# Altium PCB Stabilizer_Pounder.PcbDoc (part 6 of 7) (continued)
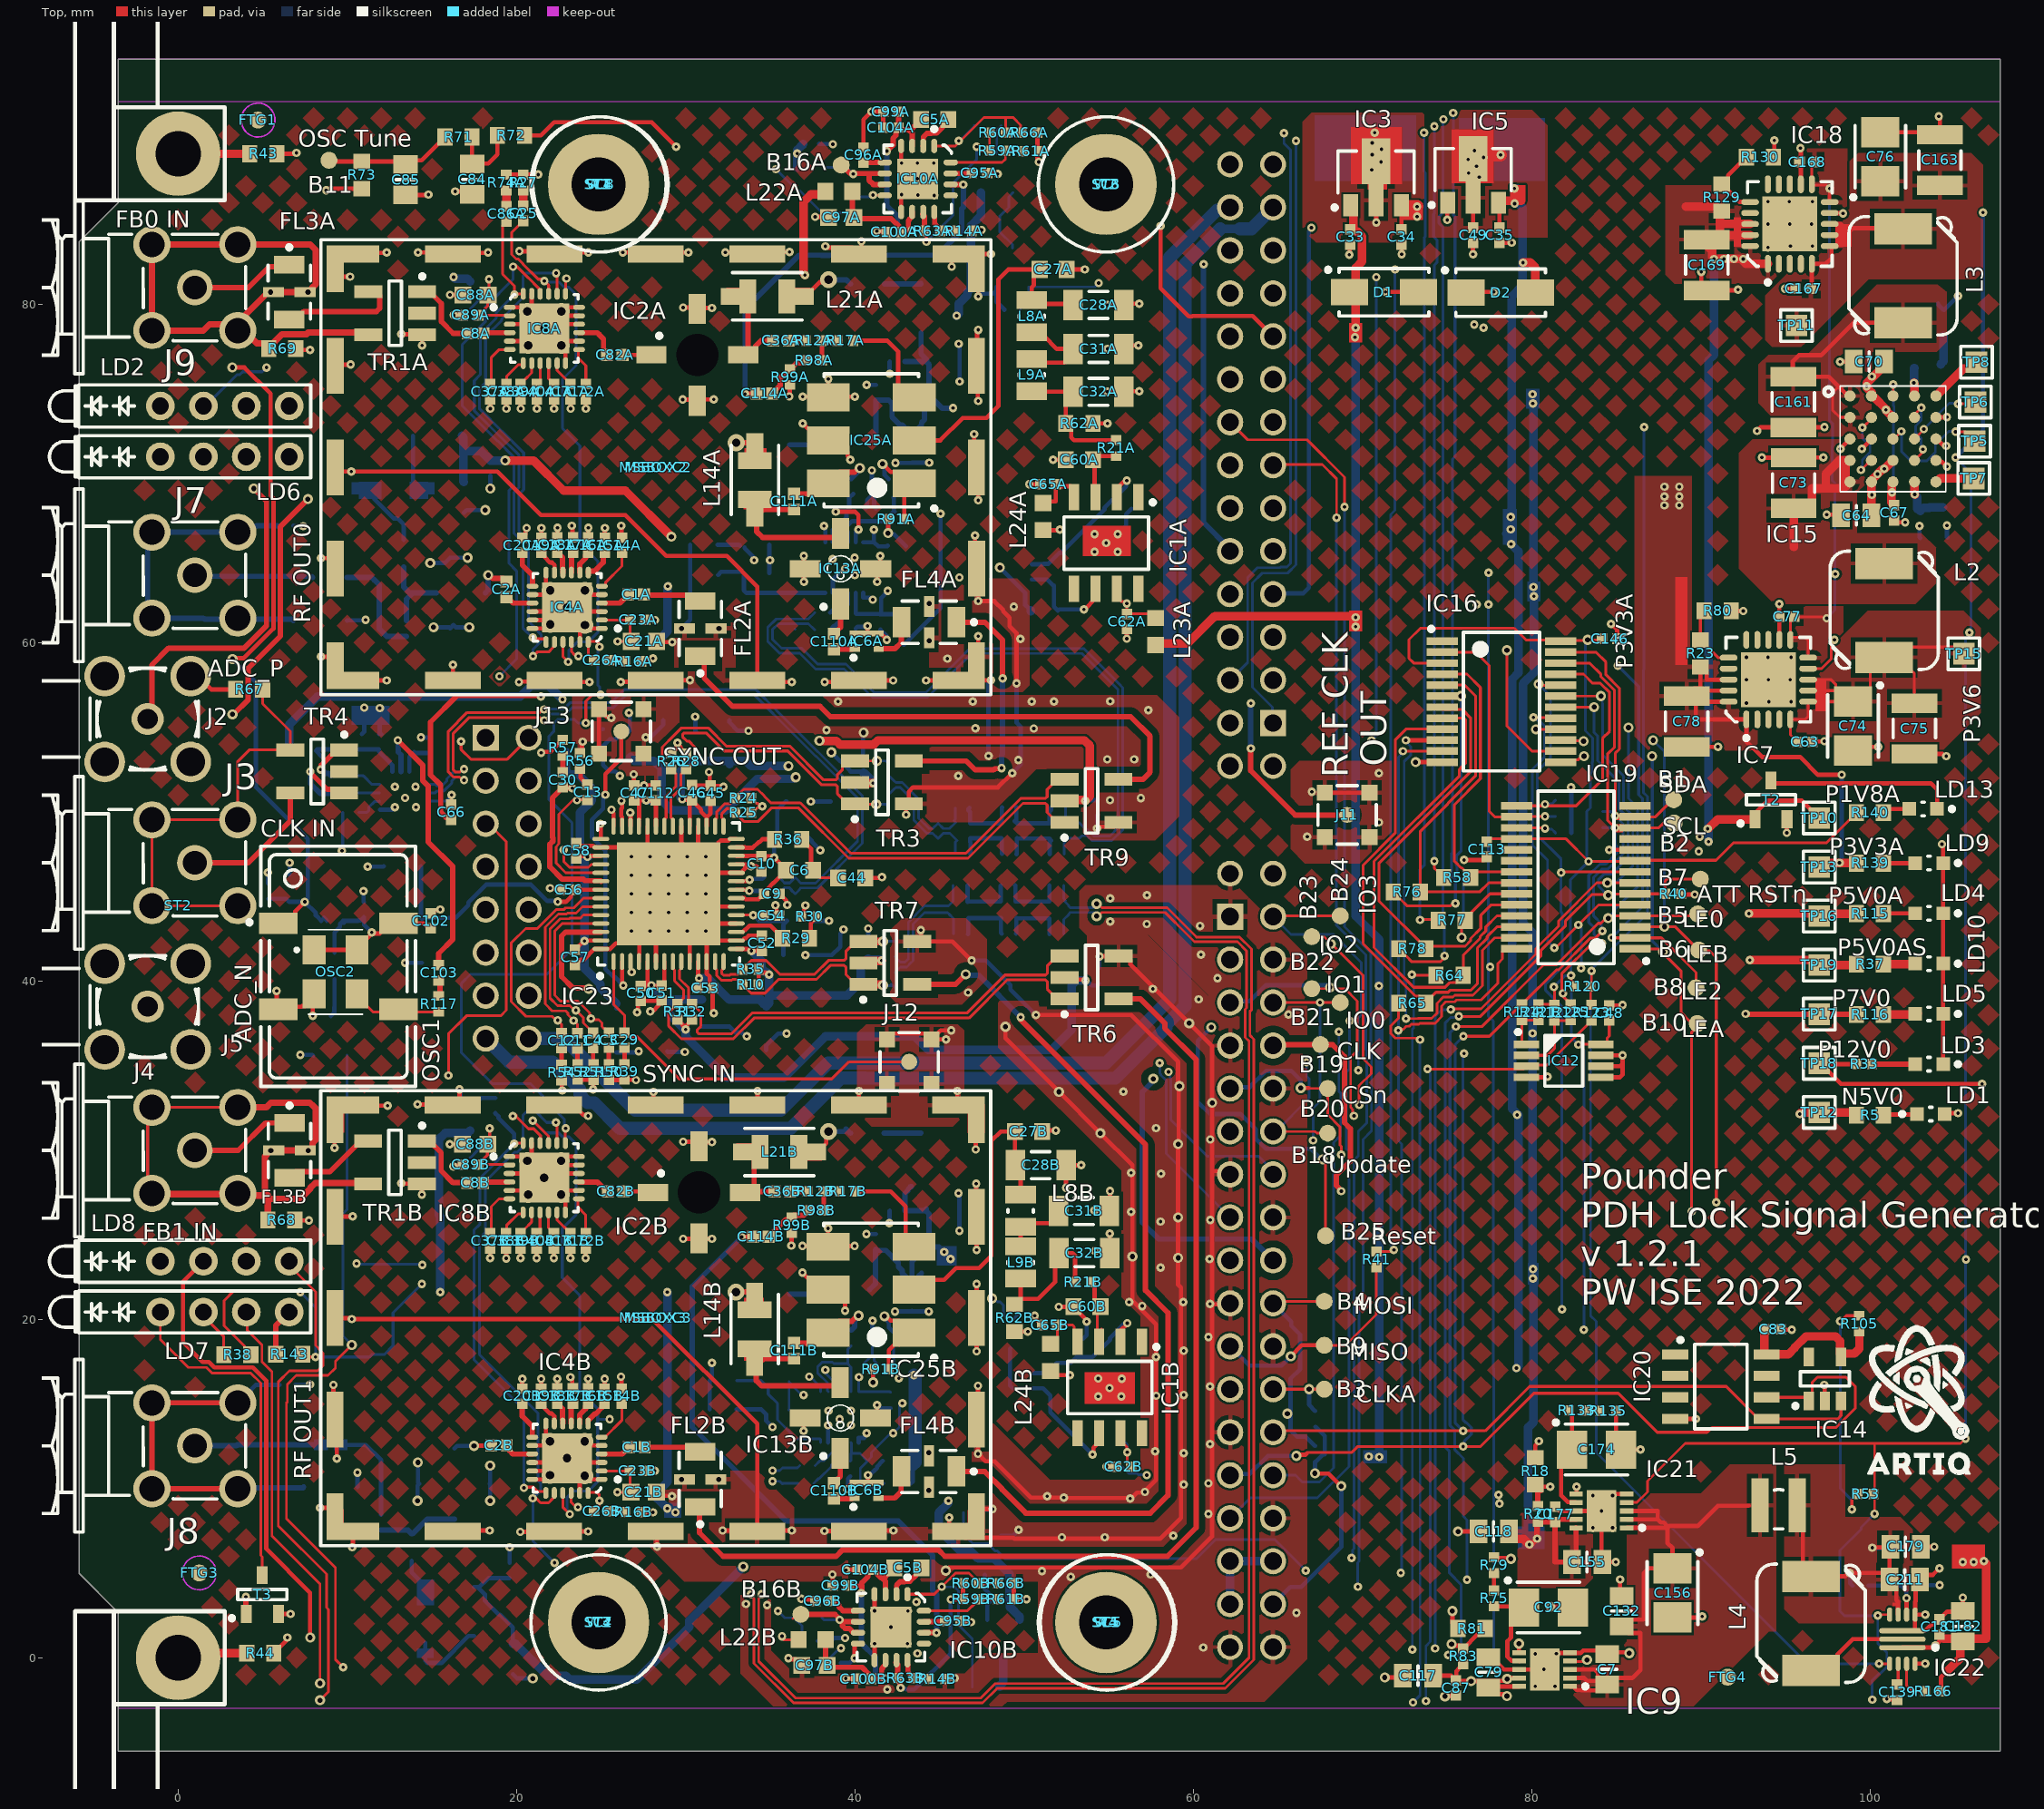
[diagram p0: Top view]
## Nets (pads, with @x,y where several pads share a name; then routed paths per layer and width w, separated by ;. In a path a pad name is that pad's centre, name@x,y a point inside that pad or via, vN(x,y) a via of type N, cw(c..) or ccw(c..) an arc to the next point about the centre after c; other vN are vias at no path point) (continued)
  Top w0.508: v2(19.326,70.768) 21.002,70.768 22.784,68.986 26.426,68.986 v2(29.149,66.264) ; C118.2@78.65,7.464 78.65,7.289 78.921,7.018 79.528,7.018 v1(79.858,6.688)
  L3 w0.316: v1(45.269,23.988) 45.269,23.98 v1@45.665,23.584 ; v1(80.044,36.913) 80.046,36.913 80.321,37.188 85.719,37.188 86.594,38.063 v1(92.644,38.063)
  L3 w0.508: v2(29.149,66.264) 39.728,66.264 39.944,66.048 41.344,66.048 41.632,65.759 43.032,65.759 43.383,65.408 52.798,65.408 54.07,64.136 67.161,64.136 68.01,63.287 v1(80.107,63.287) ; v2(33.401,5.385) 34.595,6.578 39.764,6.578 40.508,5.835 49.263,5.835 51.276,7.848 60.939,7.848 61.695,7.092 64.965,7.092 65.369,6.688 v1(79.858,6.688) ; v1(45.644,23.563) 46.419,22.788 53.296,22.788 53.846,22.238 65.099,22.238 65.274,22.413 v1(80.069,22.413) ; v1(45.796,73.863) 48.667,76.733 75.949,76.733 77.756,74.925 ; 77.769,74.938 78.019,74.688 v1(80.044,74.688)
  Bottom Layer w0.254: R34B.1@17.486,4.188 17.684,4.188 18.132,3.74 18.132,3.353 18.94,2.546 19.022,2.546 19.779,1.789 C93B.2@19.779,0.833 ; R34B.1@17.748,4.124 18.327,4.704 C115B.2@19.583,4.704
  Bottom Layer w0.316: R3B.1@40.864,21.759 41.219,22.114 C91B.2@41.219,24.113 ; R3A.1@40.874,71.958 41.244,72.328 C91A.2@41.244,74.338 41.994,74.338 42.194,74.138 42.194,73.338 42.677,72.855 42.802,72.855 42.919,72.738 C94A.2@42.919,72.613 ; C91B.2@41.234,24.139 41.296,24.077 41.83,24.077 42.544,23.363 ; 42.569,23.288 42.569,23.113 42.802,22.88 42.802,22.73 43.219,22.313 C94B.2@43.369,22.313 43.369,23.438 44.069,24.138 ; C109A.2@42.964,76.618 44.114,76.618 C90A.2@44.234,76.738 ; C94A.2@43.159,72.648 C94A.2@43.369,72.438 43.519,72.438 43.936,72.855 43.936,73.005 44.119,73.188 44.119,74.363 44.384,74.628 ; R1B.1@43.344,27.838 43.288,27.838 43.157,27.707 43.157,27.651 42.954,27.448 C109B.2@42.954,26.419 44.104,26.419 44.224,26.54 44.224,26.39 C90B.2@44.374,26.24 44.374,24.429 44.229,24.284 ; C94B.2@43.789,22.482 43.789,22.583 C94B.2@43.936,22.73 ; R1A.1@43.909,78.322 43.909,77.063 C90A.2@44.234,76.738 ; 44.084,24.139 44.229,24.284 ; v1(45.269,23.988) 45.261,23.988 44.965,24.284 44.229,24.284 ; v1(45.796,73.863) 45.149,73.863 44.384,74.628 ; C90A.2@44.234,76.738 44.234,76.588 C90A.2@44.384,76.438 44.384,74.628
  Bottom Layer w0.508: R34A.1@16.776,72.222 16.864,72.134 R34A.1@16.864,71.411 ; C93A.2@16.891,69.488 16.864,69.515 R34A.1@16.864,71.411 ; v2(19.326,70.768) 19.324,70.765 18.446,70.765 C115A.2@18.444,70.763 17.876,71.331 16.943,71.331 R34A.1@16.864,71.411 ; C93B.2@19.779,0.833 19.929,0.833 21.824,-1.062 22.908,-1.062 23.139,-1.293 27.098,-1.293 30.215,1.824 30.215,2.199 v2(33.401,5.385) ; v1@45.524,23.443 v1(45.644,23.563) ; v1(80.044,74.688) 80.049,74.683 80.049,74.138 80.055,74.138 80.101,74.092 80.101,63.339 80.049,63.287 80.049,62.737 80.095,62.691 80.132,62.691 80.132,58.232 79.476,57.576 79.476,43.427 80.049,42.854 80.049,36.913 80.049,22.972 80.049,22.362 80.094,22.317 80.094,13.913 79.794,13.613 79.794,7.488 v1@80.294,6.988
  other v1: 80.074,22.972 80.132,62.737 80.069,74.138
P7V5: C178.2 C179.2 C211.2 IC22.6 L4.2 L5.1 R134.2 | length 16.8
  Top w0.254: L5.1@96.034,8.988 96.034,5.293 L4.2@96.514,4.813 98.512,4.813 98.717,5.018 v1(98.784,5.018) 100.756,5.018 C211.2@101.154,4.62 ; v1(100.127,6.502) 100.143,6.518 C179.2@101.154,6.518 ; C179.2@101.194,6.558 C179.2@101.154,6.518 ; IC22.6@101.659,2.548 101.65,2.557 101.65,3.308 101.552,3.406 101.552,4.22 C211.2@101.154,4.618 C211.2@101.154,4.62 ; C211.2@101.154,4.62 C179.2@101.154,6.518
  Bottom Layer w0.254: v1(98.784,5.018) 98.831,4.971 98.831,4.401 R134.2@98.964,4.268 ; v1(100.127,6.502) 100.171,6.458 C178.2@101.594,6.458
P7V5A: C7.2 C132.2 C156.1 IC9.1 IC9.2 IC9.3 IC21.1 IC21.2 IC21.3 L5.2 | length 34.2
  Top w0.254: IC9.1@82.269,-1.694 82.519,-1.694 82.542,-1.717 82.542,-1.783 82.691,-1.932 84.108,-1.932 C7.2@84.455,-1.585 ; IC9.2@82.269,-1.194 83.097,-1.194 83.271,-1.368 84.239,-1.368 C7.2@84.455,-1.585 ; IC9.3@82.269,-0.694 83.718,-0.694 83.911,-0.887 83.911,-1.187 84.016,-1.291 84.315,-1.291 84.455,-1.431 C7.2@84.455,-1.585 ; C7.2@84.782,-1.194 85.951,-1.194 86.434,-0.711 86.434,1.46 85.707,1.46 C132.2@85.309,1.858 85.484,1.858 85.882,2.256 86.599,2.256 86.624,2.281 86.624,4.99 86.912,5.278 C156.1@88.324,5.278 88.324,6.492 88.024,6.792 88.024,7.788 ; IC21.1@85.624,7.678 87.914,7.678 88.024,7.788 ; IC21.2@85.624,8.178 87.459,8.178 ; IC21.3@85.624,8.678 87.451,8.678 87.451,8.186 87.459,8.178 ; 92.834,8.988 91.005,8.988 89.805,7.788 88.024,7.788 ; 87.459,8.178 87.65,7.987 87.825,7.987 88.024,7.788
P12V0: C64.2 C70.2 C181.2 C182.2 IC15.A2 IC15.B3 IC15.D3 IC15.E2 IC22.1 J10.31 J10.32 J10.33 R33.2 R166.2 TP18.1 | length 157.8
  Top w0.254: TP18.1@96.819,35.138 96.869,35.088 TP18.1@96.994,35.088 ; TP18.1@96.994,35.138 TP18.1@97.044,35.088 ; R33.2@99.174,35.088 TP18.1@97.044,35.088 ; IC22.1@101.159,0.577 101.18,0.598 IC22.1@101.909,0.598 101.918,0.607 103.743,0.607 v1(103.859,0.723) 104.094,0.958 C181.2@104.094,1.368 ; R166.2@104.194,-1.982 104.194,-1.16 104.524,-0.83 ; v1(106.619,33.913) 98.269,33.913 97.552,34.63 97.502,34.63 TP18.1@97.044,35.088
  Top w0.508: IC15.E2@100.084,69.503 100.084,69.544 100.16,69.62 100.16,69.68 v1@100.736,70.256 ; IC15.A2@100.084,74.583 100.125,74.583 100.201,74.507 100.245,74.507 v1@100.965,73.787 ; C64.2@100.089,67.524 v1@100.089,68.732 ; v1(100.101,68.732) v1@100.089,68.732 ; IC15.E2@100.101,69.494 100.089,69.482 v1@100.089,68.732 ; IC15.A2@100.101,74.777 99.797,75.082 v1(99.797,75.158) 99.797,75.336 100.568,76.108 100.568,76.343 C70.2@100.839,76.614 ; v1(100.838,70.282) 100.863,70.282 IC15.D3@101.354,70.773 ; v1(100.94,73.761) 100.94,73.727 IC15.B3@101.354,73.313 ; C181.2@104.094,1.368 104.345,1.117 106.858,1.117 106.858,5.573 v1(106.723,5.708) 105.808,5.708 ; 104.524,-0.83 105.149,-0.206 105.158,-0.206 105.333,-0.031 105.333,0.807 C182.2@105.484,0.958
  L3 w0.508: J10.33@62.174,3.168 62.324,3.018 62.324,2.16 62.676,1.808 102.774,1.808 v1(103.859,0.723) ; v1(99.797,75.158) 99.797,73.431 100.838,72.39 v1(100.838,70.282) 103.149,70.282 106.68,66.751 106.68,12.8 106.785,12.695 106.785,9.233 106.723,9.17 v1(106.723,5.708)
  Bottom Layer w0.508: J10.33@62.174,3.168 J10.31@62.174,5.708 J10.32@64.714,5.708
  other v1: 105.484,5.658 106.129,5.658 100.436,69.968 100.101,75.735
P12V0AS: C34.2 IC3.3 J1.25 J6.15 | length 108.1
  Top w0.254: IC3.3@72.304,85.845 72.304,84.515 C34.2@72.339,84.48
  Top w0.762: IC3.3@72.304,85.852 72.304,85.845 72.373,85.776 v1(73.228,85.776)
  L3 w0.762: J1.25@64.714,85.728 73.181,85.728 v1(73.228,85.776)
  Bottom Layer w0.508: 61.583,84.458 62.754,84.458
  Bottom Layer w0.762: J6.15@18.174,36.598 19.568,35.204 20.143,35.204 22.135,35.204 23.734,33.605 23.734,33.272 24.193,32.813 24.584,32.813 26.107,31.29 36.202,31.29 39.18,34.268 40.566,34.268 40.575,34.259 55.392,34.259 58.395,37.262 58.395,37.418 59.512,38.536 59.512,82.388 61.583,84.458 ; 62.754,84.458 63.444,84.458 J1.25@64.714,85.728
  other v1: 73.222,85.182
PGOOD: IC7.9 IC9.4 IC15.B4 IC15.D4 IC18.9 IC21.4 IC22.7 J10.17 R53.1 T3.1 | length 291.9
  Top w0.152: IC9.4@82.269,-0.194 82.307,-0.233 83.163,-0.233 v2(83.271,-0.125) ; IC21.4@85.624,9.178 86.214,9.178 86.844,9.808 86.844,10.438 89.069,12.663 100.266,12.663 ; v1(100.266,8.51) 100.266,12.663 ; v1(100.457,2.489) 100.516,2.548 IC22.7@101.159,2.548 ; IC15.B4@102.624,73.313 102.684,73.373 102.684,73.55 v1(103.022,73.888) ; IC15.D4@102.692,70.84 103.057,71.206 103.057,71.358 v1(103.124,71.425) ; v1(105.639,12.954) 105.348,12.663 100.266,12.663
  Top w0.166: IC7.9@96.339,58.464 97.137,58.464 97.699,59.026 97.699,59.9 97.892,60.093 v1(97.892,60.164)
  Top w0.254: IC18.9@97.609,85.394 97.622,85.382 98.387,85.382 v1(98.4,85.369)
  Top w0.316: T3.1@3.994,2.963 v1(3.994,3.588)
  L3 w0.152: J10.17@62.174,23.488 62.215,23.529 63.372,23.529 64.309,24.466 65.119,24.466 66.056,23.529 79.673,23.529 79.685,23.541 80.503,23.541 80.515,23.529 105.66,23.529 v1(105.669,23.538) ; v1(97.892,60.164) 105.427,60.164 v1(105.867,60.604) ; v1(103.124,71.425) 104.022,71.425 104.297,71.149 104.791,71.149 104.999,70.942 v1(105.054,70.942)
  L3 w0.254: v1(98.4,85.369) 106.563,85.369 106.613,85.42 v1(106.68,85.42)
  L3 w0.316: v1(3.994,3.588) 3.994,3.547 4.23,3.311 4.23,0.596 8.204,-3.378 84.124,-3.378 ; v2(83.271,-0.125) 83.271,-0.505 84.124,-1.358 84.124,-3.378 ; v1@100,-2.515 99.137,-3.378 84.124,-3.378
  Bottom Layer w0.152: v1(100.127,-2.482) 100.127,-1.335 100.524,-0.937 100.594,-0.937 100.992,-0.54 100.992,0.309 100.457,0.843 v1(100.457,2.489) 98.499,2.489 98.222,2.766 98.222,6.344 99.466,7.589 99.466,7.71 v1(100.266,8.51) ; v1(103.022,73.888) 103.022,73.143 102.696,72.817 102.696,72.42 103.022,72.094 103.022,71.688 103.057,71.653 103.057,71.491 v1(103.124,71.425) ; v1(105.054,70.942) 105.969,70.028 105.969,60.867 105.934,60.832 105.934,60.671 v1(105.867,60.604) 105.867,60.51 105.65,60.293 v1@105.65,12.954
  Bottom Layer w0.254: v1(105.054,70.942) 106.68,72.568 v1(106.68,85.42)
QSPI_CLK: B19.1 C30.2 IC23.48 J10.8 | length 91.5
  Top w0.316: v1(23.285,51.398) 23.262,51.42 22.757,51.42 C30.2@22.734,51.443 22.125,50.834 22.125,48.494 22.144,48.475 22.144,48.258 21.971,48.085 21.971,46.746 22.698,46.019 23.953,46.019 24.04,45.931 24.951,45.931 IC23.48@24.984,45.898 ; J10.8@64.714,36.188 64.772,36.246 B19.1@67.513,36.246 67.529,36.229 68.242,36.229 68.934,35.538 68.934,31.623 69.279,31.278 69.279,29.35 68.453,28.524 68.453,27.915 68.744,27.624 v1(68.744,27.574)
  L3 w0.221: v1(23.285,51.398) 23.28,51.398 22.987,51.105 22.606,51.105 21.869,50.368 21.869,46.38 22.941,45.309 22.941,44.466 22.428,43.953 22.428,43.608 21.726,42.907 21.726,38.719 21.667,38.659 21.667,37.077 21.752,36.992 21.752,33.595 24.354,30.993 35.733,30.993 37.19,29.535 47.355,29.535 47.565,29.746 53.744,29.746 56.106,27.384 67.16,27.384 67.248,27.471 68.052,27.471 68.155,27.574 v1(68.744,27.574)
QSPI_IO0: B21.1 C12.2 IC23.50 J10.6 | length 76.3
  Top w0.152: C12.2@22.659,36.928 22.659,37.431 22.434,37.657 v1(22.434,37.681) 22.34,37.681 22.103,37.918 20.55,37.918 19.685,38.784 19.685,42.255 20.538,43.108 21.222,43.108 22.35,44.236 22.804,44.236 22.89,44.323 23.382,44.323 23.957,44.898 IC23.50@24.984,44.898 ; J10.6@64.714,38.728 v1(67.488,38.728) B21.1@68.682,38.728
  L3 w0.152: v1(22.434,37.681) 22.434,36.392 24.996,33.83 24.996,33.68 27.09,31.586 36.24,31.586 37.498,30.327 43.175,30.327 44.361,31.514 50.405,31.514 51.529,30.39 57.274,30.39 57.808,29.856 64.845,29.856 65.261,30.272 66.176,30.272 66.324,30.124 66.626,30.124 v1(67.081,30.58)
  Bottom Layer w0.152: v1(67.081,30.58) 67.081,32.486 67.488,32.893 v1(67.488,38.728)
QSPI_IO1: B22.1 C11.2 IC23.51 J10.5 | length 77.7
  Top w0.152: v1(23.369,37.659) 23.029,38 23.029,38.103 22.9,38.232 22.104,38.232 21.692,38.644 21.692,43.183 22.466,43.957 22.955,43.957 23.017,44.018 23.508,44.018 23.888,44.398 IC23.51@24.984,44.398 ; v1@23.379,37.669 23.597,37.451 C11.2@23.597,36.924 ; B22.1@67.005,39.548 68.072,39.548 68.961,39.548 69.694,38.815 69.694,35.873 69.299,35.478 69.299,32.536 69.428,32.407 69.428,32.096 v1(69.494,32.029)
  L3 w0.152: v1(23.369,37.659) 23.379,37.65 23.379,36.942 23.161,36.725 23.161,36.06 25.301,33.92 25.301,33.806 27.242,31.865 59.952,31.865 60.104,32.017 61.7,32.017 61.769,32.086 65.119,32.086 65.176,32.029 v1(69.494,32.029)
  Bottom Layer w0.254: J10.5@62.174,38.728 62.245,38.799 63.33,38.799 64.288,39.757 67.939,39.757 v2(68.072,39.624)
QSPI_IO2: B23.1 C4.2 IC23.52 J10.3 | length 79.9
  Top w0.152: C4.2@24.527,36.937 23.943,37.521 23.943,37.835 v1(23.508,38.271) 23.414,38.271 23.146,38.538 22.423,38.538 21.972,38.99 21.972,43.068 22.581,43.677 23.107,43.677 23.143,43.713 23.77,43.713 23.955,43.898 IC23.52@24.984,43.898 ; B23.1@67.005,42.621 67.735,42.621 68.145,42.211 70.032,40.324 70.032,35.402 70.51,34.924 70.51,34.527 69.803,33.82 v1(69.803,32.673)
  L3 w0.152: v1(23.508,38.271) 23.508,38.242 23.832,37.918 23.832,37.171 23.825,37.164 23.825,35.827 25.606,34.047 25.606,33.933 27.394,32.144 59.836,32.144 59.988,32.297 61.584,32.297 61.653,32.366 67.646,32.366 67.954,32.673 v1(69.803,32.673)
  L3 w0.254: J10.3@62.174,41.268 63.203,42.297 68.015,42.297 v2(68.123,42.189)
QSPI_IO3: B24.1 C3.2 IC23.53 J10.2 | length 78
  Top w0.152: v1@24.396,37.733 24.412,37.717 24.85,37.717 25.04,37.526 25.04,37.302 25.155,37.187 25.218,37.187 C3.2@25.451,36.953 ; v1(24.396,37.783) 24.33,37.85 24.33,38.12 23.632,38.817 22.588,38.817 22.251,39.155 22.251,42.952 22.697,43.398 IC23.53@24.984,43.398 ; J10.2@64.714,43.808 64.754,43.848 B24.1@68.682,43.848
  L3 w0.152: v1(24.396,37.783) 24.396,37.689 24.231,37.524 24.231,37.175 24.105,37.049 24.105,35.979 25.91,34.173 25.91,34.059 27.545,32.424 59.72,32.424 60.269,32.973 60.269,33.127 61.868,34.726 v1(69.752,34.726)
  Bottom Layer w0.152: J10.2@64.714,43.808 65.774,42.748 68.276,42.748 69.926,41.097 69.926,38.011 69.752,37.838 v1(69.752,34.726)
REFCLK_N: C43.2 IC24.10 R49.2 | length 43.4
  Top w0.166: v1(16.891,51.875) 16.807,51.875 16.627,52.055 16.272,52.055 15.967,52.359 15.967,54.76 17.077,55.87 21.364,55.87 21.544,56.051 v1(21.628,56.051)
  Bottom Layer w0.152: 35.371,55.996 35.371,55.987 37.793,53.565 37.813,53.565 40.437,50.941 40.437,48.144 37.791,45.498 36.797,45.498 36.708,45.409 36.708,45.382 36.494,45.168 R49.2@36.474,45.168
  Bottom Layer w0.166: IC24.10@14.914,51.128 15.2,51.128 15.304,51.232 15.697,51.232 16.167,51.701 16.167,51.828 16.393,52.055 16.627,52.055 16.807,51.875 v1(16.891,51.875) ; v1(21.628,56.051) 21.658,56.081 22.802,56.081 23.182,56.461 25.608,56.461 26.387,57.241 34.126,57.241 35.371,55.996 ; C43.2@35.504,45.178 35.731,45.405 35.731,45.408 35.828,45.505 36.137,45.505 36.247,45.395 36.247,45.375 36.454,45.168 R49.2@36.474,45.168
REFCLK_P: C42.2 IC24.9 R49.1 | length 41.8
  Top w0.166: v1(16.891,52.527) 16.807,52.527 16.627,52.347 16.393,52.347 16.259,52.481 16.259,54.638 17.198,55.578 21.376,55.578 21.537,55.417 21.642,55.417 v1@21.65,55.408 ; v1(21.636,55.408) v1@21.65,55.408 ; v1@21.739,55.32 v1@21.65,55.408
  Bottom Layer w0.152: 35.164,55.789 35.174,55.789 37.677,53.285 37.697,53.285 40.157,50.825 40.157,48.26 37.675,45.778 36.797,45.778 36.708,45.867 36.708,45.894 36.494,46.108 R49.1@36.474,46.108
  Bottom Layer w0.166: IC24.9@14.914,51.628 15.2,51.628 15.304,51.524 15.576,51.524 15.874,51.823 15.874,51.95 16.272,52.347 16.627,52.347 16.807,52.527 v1(16.891,52.527) ; v1(21.636,55.408) 22.016,55.788 22.923,55.788 23.304,56.169 25.729,56.169 26.508,56.948 34.005,56.948 35.164,55.789 ; C42.2@35.514,46.128 35.741,45.901 35.741,45.894 35.838,45.797 36.15,45.797 36.247,45.894 36.247,45.901 36.454,46.108 R49.1@36.474,46.108
RF0: J7.1 R6A.1 TR2A.1 | length 7
  Bottom Layer w0.316: J7.1@0.984,63.988 1.051,63.922 7.88,63.922 R6A.1@7.947,63.855
RF1: J8.1 R6B.1 TR2B.1 | length 7.6
  Bottom Layer w0.316: J8.1@0.984,12.528 3.44,12.528 3.495,12.583 R6B.1@8.521,12.583
SPI1_MISO: B9.1 J10.21 R41.1 | length 13.6
  Top w0.152: J10.21@62.054,18.288 J10.21@62.174,18.408 J10.21@62.378,18.408 ; B9.1@67.644,18.47 B9.1@67.742,18.47 68.99,18.47 70.815,20.294 R41.1@70.815,23.069
  Top w0.254: v2(65.759,17.814) 66.415,18.47 67.644,18.47 B9.1@67.716,18.542
  Bottom Layer w0.254: J10.21@62.174,18.408 63.31,17.272 65.216,17.272 v2(65.759,17.814)
SPI1_MOSI: B4.1 C26B.2 IC4B.24 J10.20 R88.2 | length 58.6
  Top w0.152: J10.20@64.714,20.948 64.831,21.065 B4.1@67.742,21.065
  Top w0.166: IC4B.24@24.229,9.743 24.266,9.78 24.741,9.78 24.894,9.627 v1(24.894,9.283) 24.894,8.983 C26B.2@24.579,8.668
  L3 w0.166: v1(24.894,9.283) 27.423,9.283 30.891,12.751 35.556,12.751 36.188,12.119 42.472,12.119 43.663,13.309 ; 43.656,13.316 43.667,13.328 51.564,13.328 51.977,13.741 60.93,13.741 61.501,14.313 62.7,14.313 62.918,14.096 64.089,14.096 64.42,14.427 v2(65.557,14.427)
  Bottom Layer w0.254: J10.20@64.714,20.948 65.786,19.876 65.786,19.626 66.313,19.099 66.313,17.048 65.743,16.478 65.743,13.473 66.145,13.072 66.646,13.072 67.188,12.529 R88.2@67.208,12.529
SYNC_CLK: IC23.54 J10.18 | length 60
  Top w0.316: v2(24.263,39.545) 24.209,39.599 23.321,39.599 22.659,40.26 22.659,42.66 22.897,42.898 IC23.54@24.984,42.898
  L3 w0.221: v2(24.263,39.545) 24.263,39.447 25.689,38.022 25.689,37.697 26.836,36.55 27.355,36.55 29.569,34.336 56.88,34.336 56.992,34.225 v2(57.632,34.225)
  Bottom Layer w0.316: v2(57.632,34.225) 57.578,34.17 57.578,34.04 56.981,33.444 56.981,25.726 57.955,24.752 63.45,24.752 J10.18@64.714,23.488
VREFCA: IC10A.11 R59A.2 R60A.2 R63A.2 | length 10.5
  Top w0.152: R63A.2@44.109,84.338 44.221,84.226 v1(44.221,83.693) ; v1(47.191,89.319) 47.446,89.063 R59A.2@47.954,89.063 47.954,90.131 R60A.2@47.968,90.144
  Top w0.316: IC10A.11@43.993,85.318 44.109,85.202 R63A.2@44.109,84.338
  Bottom Layer w0.152: v1(44.221,83.693) 45.796,85.268 45.796,87.165 47.191,88.56 v1(47.191,89.319)
VREFCB: IC10B.11 R59B.2 R60B.2 R63B.2 | length 10.4
  Top w0.254: v1(45.662,3.445) 45.665,3.449 46.385,3.449 R59B.2@46.388,3.452 R60B.2@46.388,4.392
  Top w0.316: IC10B.11@42.413,-0.282 42.529,-0.398 R63B.2@42.529,-1.219 ; R63B.2@42.532,-1.194 42.662,-1.324 42.662,-1.743 v1(42.697,-1.778)
  Bottom Layer w0.254: v1(42.697,-1.778) 42.744,-1.825 42.969,-1.825 43.024,-1.88 43.51,-1.88 45.644,0.254 45.644,3.428 v1(45.662,3.445)
pads on no net: FTG1.FTG2 FTG2.FTG2 FTG3.FTG2 FTG4.FTG2 FTG5.FTG2 FTG6.FTG2 IC1A.1 IC1A.5 IC1A.8 IC1B.1 IC1B.5 IC1B.8 IC2A.5 IC2B.5 IC7.2 IC7.3 IC7.4 IC7.13 IC7.14 IC7.15 IC7.17 IC10A.13 IC10B.13 IC14.5 IC16.1 IC18.2 IC18.3 IC18.4 IC18.13 IC18.14 IC18.15 IC18.17 IC19.11 IC19.14 IC19.19 IC19.20 IC20.1 IC20.2 IC20.3 IC20.7 IC24.8 IC24.12 IC24.13 IC24.14 IC24.15 IC24.16 J1.22 J6.8 J6.9 J6.11 J6.12 J6.14 J10.11 J10.23 TR1A.2 TR1B.2 TR2A.2 TR2B.2 TR4.2

## Polygon pours and split planes (outlines as drawn)
GND on Top "Top-GND" (solid, remove dead copper, pour order 160): 33.223,-0.94 35.712,-3.429 48.158,-3.429 48.997,-2.591 64.214,-2.591 66.733,-0.073 66.733,41.471 62.535,45.669 53.619,45.669 53.264,45.313 53.264,43.154 53.696,42.723 53.731,42.723 53.731,38.408 50.884,38.485 50.823,38.813 48.469,38.818 48.469,36.071 55.749,28.791 55.749,21.317 56.88,20.186 56.88,10.862 56.535,10.518 51.517,10.518 48.192,13.843 46.448,13.843 46.388,13.903 45.86,13.375 45.86,8.72 44.861,7.721 36.398,7.721 36.398,8.893 34.234,11.057 28.78,11.057 27.604,9.882 27.604,6.814 29.9,4.519 50.823,4.519 50.823,0.279 47.701,0.279 46.482,-0.94 36.398,-0.94 35.027,0.432 35.027,4.013 34.798,4.242 34.722,4.165 33.35,4.165 33.223,4.038
no net on Top "balancing_top" (solid, pour order 215): -0.58,94.454 107.694,94.454 107.694,-2.052 -0.56,-2 -0.717,5.36 -3.329,7.802 -3.329,85.957 -0.717,88.569
GND on Top "GND_L01_P156" (solid, remove dead copper, pour order 156): 42.088,43.002 42.088,39.065 42.545,38.608 46.33,38.608 47.803,40.081 47.803,42.469 46.558,43.713 42.799,43.713
GND on Top "GND_L01_P158" (solid, remove dead copper, pour order 158): 29.325,61.043 29.325,57.474 32.13,54.668 37.535,54.668 38.103,54.1 43.548,54.1 43.974,53.674 43.974,49.885 44.481,49.378 47.566,49.378 50.717,52.529 53.214,52.529 53.369,52.374 53.369,48.873 53.921,48.321 57.734,48.321 59.164,49.75 59.164,55.582 57.857,56.89 34.112,56.89 32.929,58.072 32.929,61.201
P7V5A on Top "NONET_L-01_P-001" (solid, remove dead copper, pour order 166): 82.191,0.478 85.144,0.478 85.624,0.958 85.624,9.701 89.997,9.701 91.719,11.423 94.439,11.423 94.444,8.488 94.444,1.568 94.014,1.568 89.434,-3.012 83.271,-3.012 82.191,-1.932
GND on Top "NONET_L-01_P-001" (solid, remove dead copper, pour order 205): 71.705,53.005 72.074,52.637 72.074,47.636 71.392,46.955 66.592,46.955 65.749,47.798 65.749,52.487 66.267,53.005
GND on Top "NONET_L-01_P-001" (solid, remove dead copper, pour order 209): 46.093,37.444 46.461,37.076 46.461,32.075 45.78,31.394 40.98,31.394 40.137,32.237 40.137,36.926 40.655,37.444
N12V0AS on Top "NONET_L-01_P-001" (solid, remove dead copper, pour order 199): 73.914,83.951 80.942,83.951 80.944,90.573 80.029,91.488 74.089,91.488 73.914,91.313
GND on Top "GND_L01_P214" (solid, remove dead copper, pour order 214): 47.343,57.082 49.915,57.082 50.306,57.474 50.306,63.066 49.587,63.786 46.672,63.786 45.974,63.088 44.604,63.088 44.384,62.868 44.384,57.595 44.911,57.068 47.284,57.068
GND on Top "NONET_L-01_P-001" (solid, remove dead copper, pour order 212): 29.462,57.238 29.624,57.076 29.624,52.076 28.942,51.395 24.142,51.395 23.299,52.238 23.299,56.927 23.611,57.238
P7V5 on Top "NONET_L-01_P-001" (solid, remove dead copper, pour order 168): 94.944,11.423 94.944,2.878 95.776,2.046 102.037,2.046 102.507,2.516 102.507,7.597 101.799,8.305 98.512,8.305 98.512,11.423
P7V0A on Top "NONET_L-01_P-001" (solid, remove dead copper, pour order 170): 79.167,8.551 83.101,8.551 83.617,8.035 83.617,4.704 83.037,4.124 79.172,4.124
P3V6 on Top "NONET_L-01_P-001" (solid, remove dead copper, pour order 172): 94.639,55.464 94.639,53.777 95.428,52.988 103.653,52.988 106.528,55.863 106.528,60.87 105.523,61.874 99.864,61.874 96.221,58.231 94.609,58.231
NetC161_2 on Top "NONET_L-01_P-001" (solid, remove dead copper, pour order 178): 103.99,81.154 100.409,81.154 96.267,77.013 93.988,77.013 93.409,76.434 93.409,74.154 95.521,72.043 100.084,72.043 100.084,74.562 100.105,74.583 100.105,77.203 103.953,77.203 104.522,77.772 104.522,80.736
NetC73_2 on Top "NONET_L-01_P-001" (solid, remove dead copper, pour order 176): 100.084,72.03 93.066,72.03 92.252,71.216 92.252,64.378 94.349,62.281 102.687,62.281 103.894,63.488 103.894,65.599 103.903,65.608 103.039,66.472 99.995,66.472 99.992,66.475 99.23,66.475 99.23,68.877 100.084,69.731
GND on Top "NONET_L-01_P-001" (solid, remove dead copper, pour order 184): 66.98,91.313 73.533,91.313 73.635,91.211 73.635,83.927 73.35,83.642 67.265,83.642 66.444,84.463 66.444,90.777
P5V0A on Top "NONET_L-01_P-001" (solid, remove dead copper, pour order 201): 95.909,89.211 95.879,89.181 95.879,85.161 98.655,85.161 98.655,89.211
P5V0A on Top "NONET_L-01_P-001" (solid, remove dead copper, pour order 200): 94.639,62.281 94.609,62.251 94.609,58.231 97.385,58.231 98.417,59.263 98.417,62.18 98.518,62.281
P1V8A on Top "NONET_L-01_P-001" (solid, remove dead copper, pour order 180): 91.929,87.024 92.909,86.044 92.909,83.444 94.091,83.444 94.604,82.931 94.604,81.756 94.051,81.204 88.44,81.204 87.904,81.74 87.904,87.024
P3V3A on Top "NONET_L-01_P-001" (solid, remove dead copper, pour order 174): 86.08,69.838 89.459,69.838 89.459,59.405 89.749,59.114 92.099,59.114 93.339,57.875 93.339,54.019 92.944,53.624 86.918,53.624 86.08,54.462
P2V1 on Top "NONET_L-01_P-001" (solid, remove dead copper, pour order 162): 98.501,85.369 98.781,85.649 98.781,88.443 99.289,88.951 105.969,88.951 106.68,88.239 106.68,81.926 106.242,81.488 99.929,81.488 95.936,77.495 94.209,77.495 93.802,77.902 93.802,80.518 95.174,81.889 95.174,84.81 95.733,85.369
no net on Bottom Layer "balancing" (solid, pour order 211): -0.814,94.504 107.694,94.504 107.694,-1.672 -0.814,-1.672 -0.814,5.378 -3.392,7.955 -3.392,86.261 -0.814,88.838
P5V0A on Bottom Layer "NONET_L-01_P-001" (solid, remove dead copper, pour order 192): 79.399,-2.482 77.225,-2.482 76.18,-1.437 76.18,80.004 78.284,80.004 78.284,0.989 79.858,-0.585 79.858,-2.023
GND on Bottom Layer "GND_L04_P186" (solid, pour order 186): 45.39,41.605 48.733,41.605 51.185,39.152 51.185,37.601 50.134,36.55 45.801,36.55 45.39,36.961
GND on Bottom Layer "GND_L04_P210" (solid, remove dead copper, pour order 210): 47.223,59.059 49.035,59.059 50.952,57.142 50.952,52.774 49.574,51.396 47.919,51.396 46.184,53.131 46.184,58.02
P1V8A on Bottom Layer "NONET_L-01_P-001" (solid, remove dead copper, pour order 206): 89.459,47.488 89.987,46.96 92.113,46.96 92.794,47.64 92.794,79.677 92.794,83.513 92.507,83.8 89.744,83.8 89.459,83.515
P1V8A on L3 "NONET_L-01_P-001" (solid, remove dead copper, pour order 190): 22.14,58.013 41.219,58.013 47.669,51.563 59.916,51.563 61.642,53.29 89.992,53.29 91.44,51.841 91.44,47.193 90.95,46.703 45.199,46.703 34.539,36.042 32.363,36.042 27.33,41.075 27.33,48.977 22.14,54.167
GND on L3 "NONET_L-01_P-001" (solid, remove dead copper, pour order 198): 36.819,37.866 45.363,46.41 62.747,46.41 65.019,44.138 65.019,37.688 63.344,36.013 36.819,36.013
no net on L3 "balancing" (solid, pour order 207): -2.317,91.555 106.191,91.555 106.191,-4.621 -2.317,-4.621 -2.317,2.429 -4.894,5.006 -4.894,83.312 -2.317,85.889
P3V3A on L3 "NONET_L-01_P-001" (solid, remove dead copper, pour order 196): 89.637,67.564 79.807,67.564 79.423,67.948 68.078,67.948 67.556,67.426 29.799,67.426 14.048,51.676 14.048,37.743 10.564,34.259 6.935,34.259 6.597,34.597 6.597,35.891 10.541,39.835 10.541,48.567 8.966,50.142 8.966,51.577 30.417,73.028 86.577,73.028 89.637,69.968
GND on L3 "NONET_L-01_P-001" (solid, remove dead copper, pour order 197): 59.294,58.638 62.544,55.388 62.544,53.825 61.956,53.825 59.969,51.838 47.769,51.838 41.919,57.688 41.919,58.638
GND on L3 "GND_L03_P203" (solid, pour order 203): -3.556,17.488 17.367,17.488 19.858,14.997 19.858,6.902 17.444,4.488 -1.556,4.488 -4.556,7.488 -4.556,16.566 -3.596,17.526
GND on L3 "GND_L03_P204" (solid, pour order 204): -5.556,69.738 18.938,69.738 20.969,67.707 20.969,64.138 18.63,61.799 13.898,57.067 -5.135,57.067 -5.556,57.488
GND on P2 (split plane): 107.184,-5.002 -3.046,-5.002 -3.046,2.688 -3.055,2.788 -3.084,2.883 -3.132,2.972 -3.195,3.049 -5.346,5.199 -5.346,83.477 -3.195,85.627 -3.132,85.704 -3.084,85.793 -3.055,85.888 -3.046,85.988 -3.046,93.978 107.184,93.978

## Keep-outs
Top:
  region: 107.694,-5.512 107.694,-3.012 -3.556,-3.012 -3.556,-5.512
  region: -3.556,94.488 -3.556,91.988 107.694,91.988 107.694,94.488
Bottom Layer:
  region: -3.556,91.988 -3.556,94.488 107.694,94.488 107.694,91.988
  region: -3.556,-5.512 -3.556,-3.012 107.694,-3.012 107.694,-5.512
Keep-Out Layer:
  drawing of 8317 lines, arcs and shapes, not listed

## Other copper
Top:
  rectangle net CH3_OUT_N: 40.945,42.113 41.529,42.57
  rectangle net CH3_OUT_P: 41.161,39.573 41.631,40.035
  region net NetL21B_2: 38.049,29.362 38.049,30.378 36.347,30.378 36.347,29.362
  rectangle net AVDD0: 29.83,50.615 30.297,50.94
  rectangle net GND: 53.476,65.128 56.296,66.907
  rectangle net GND: 53.561,15.004 56.561,16.886
  rectangle net P7V5: 101.323,3.047 101.65,3.248
  rectangle net AVDD2: 27.614,39.536 28.074,39.963
  rectangle net P3V3A: 88.494,58.681 89.215,63.888
  rectangle net GND: 33.386,46.692 33.563,46.898
  rectangle net I2C1_SDA: 84.887,49.504 85.221,49.878
  rectangle net I2C1_SCL: 84.887,48.793 85.395,49.276
  rectangle net NetC73_2: 98.18,69.113 98.814,70.773
  rectangle net P3V6: 96.764,55.947 97.409,57.814
  rectangle net P2V1: 97.936,83.413 98.918,84.744
  rectangle net P1V8A: 91.953,83.413 92.366,85.141
  rectangle net NetL14A_2: 33.477,71.032 34.784,71.501
  rectangle net NetC111A_1: 33.399,67.883 34.784,68.203
  rectangle net NetL14B_2: 33.449,20.833 34.604,21.285
  rectangle net NetC111B_1: 33.449,17.541 34.778,18.256
  rectangle net N5V0AS: 78.726,86.12 79.635,87.046
  rectangle net P5V0AS: 69.215,60.671 69.98,61.884
  rectangle net P12V0: 104.831,5.278 106.785,6.685
  rectangle net P12V0AS: 72.304,84.988 73.584,85.969
  rectangle net P5V0AS: 69.215,77.739 69.98,78.891
  rectangle net N12V0AS: 75.269,87.151 77.76,90.341
  rectangle net GND: 69.317,87.107 72.352,90.48
  rectangle net GND: 70.307,86.781 71.444,87.427
  rectangle net GND: 46.66,31.013 47.676,32.715
  rectangle net GND: 8.788,31.039 9.804,32.74
  rectangle net GND: 8.763,7.086 9.779,8.788
  rectangle net GND: 46.66,7.036 47.676,8.737
  region net NetC36B_1: 34.696,29.413 34.696,30.429 32.995,30.429 32.995,29.413
  region net NetL21A_2: 37.389,79.959 37.389,80.975 35.687,80.975 35.687,79.959
  region net NetC36A_1: 34.087,79.959 34.087,80.975 32.385,80.975 32.385,79.959
  pour cut-out: 60.893,39.158 57.328,42.723
L3:
  rectangle net N12V0AS: 75.949,87.088 77.444,89.538
  rectangle net P5V0A: 29.531,8.336 29.911,8.803
  rectangle net P7V0A: 79.732,62.437 80.532,63.612
  rectangle net P7V0A: 79.51,6.488 80.444,7.468
  rectangle net P7V0A: 79.669,73.838 80.469,75.013
  rectangle net P7V0A: 79.769,22.063 80.419,23.338
  rectangle net P7V0A: 44.844,23.213 45.994,24.338
  rectangle net P5V0A: 77.598,8.737 78.588,9.909
  rectangle net N5V0AS: 78.359,65.604 79.229,67.564
  rectangle net P12V0: 104.944,5.278 106.944,6.488
  rectangle net P12V0: 99.543,74.988 100.489,75.988
  rectangle net P12V0: 100.101,69.488 101.295,70.942
  rectangle net P12V0AS: 72.314,84.988 73.635,86.064